# Altium PCB MiniPC.PcbDoc (part 8 of 22)
Units mm, origin at the board's own origin, x right, y up, seen from the top; angles counter-clockwise.
Board outline 175 x 155 mm, 16 copper layers (1_Top, 2_int1_(gnd), 3_int2_(power), 4_int3_(gnd), 5_int4_(sign), 6_int5_(power), 7_int6_(sign), 8_int7_(power), 9_int8_(gnd), 10_int9_(sign), 11_int10_(gnd), 12_int11_(sign), 13_int12_(gnd), 14_int13_(power), 15_int14_(gnd), 16_Bottom), stack 2.008 mm thick; 1046 components, 837 nets, 6010 pads, 3950 vias.
Unrouted connection lines stored in the file: 585.
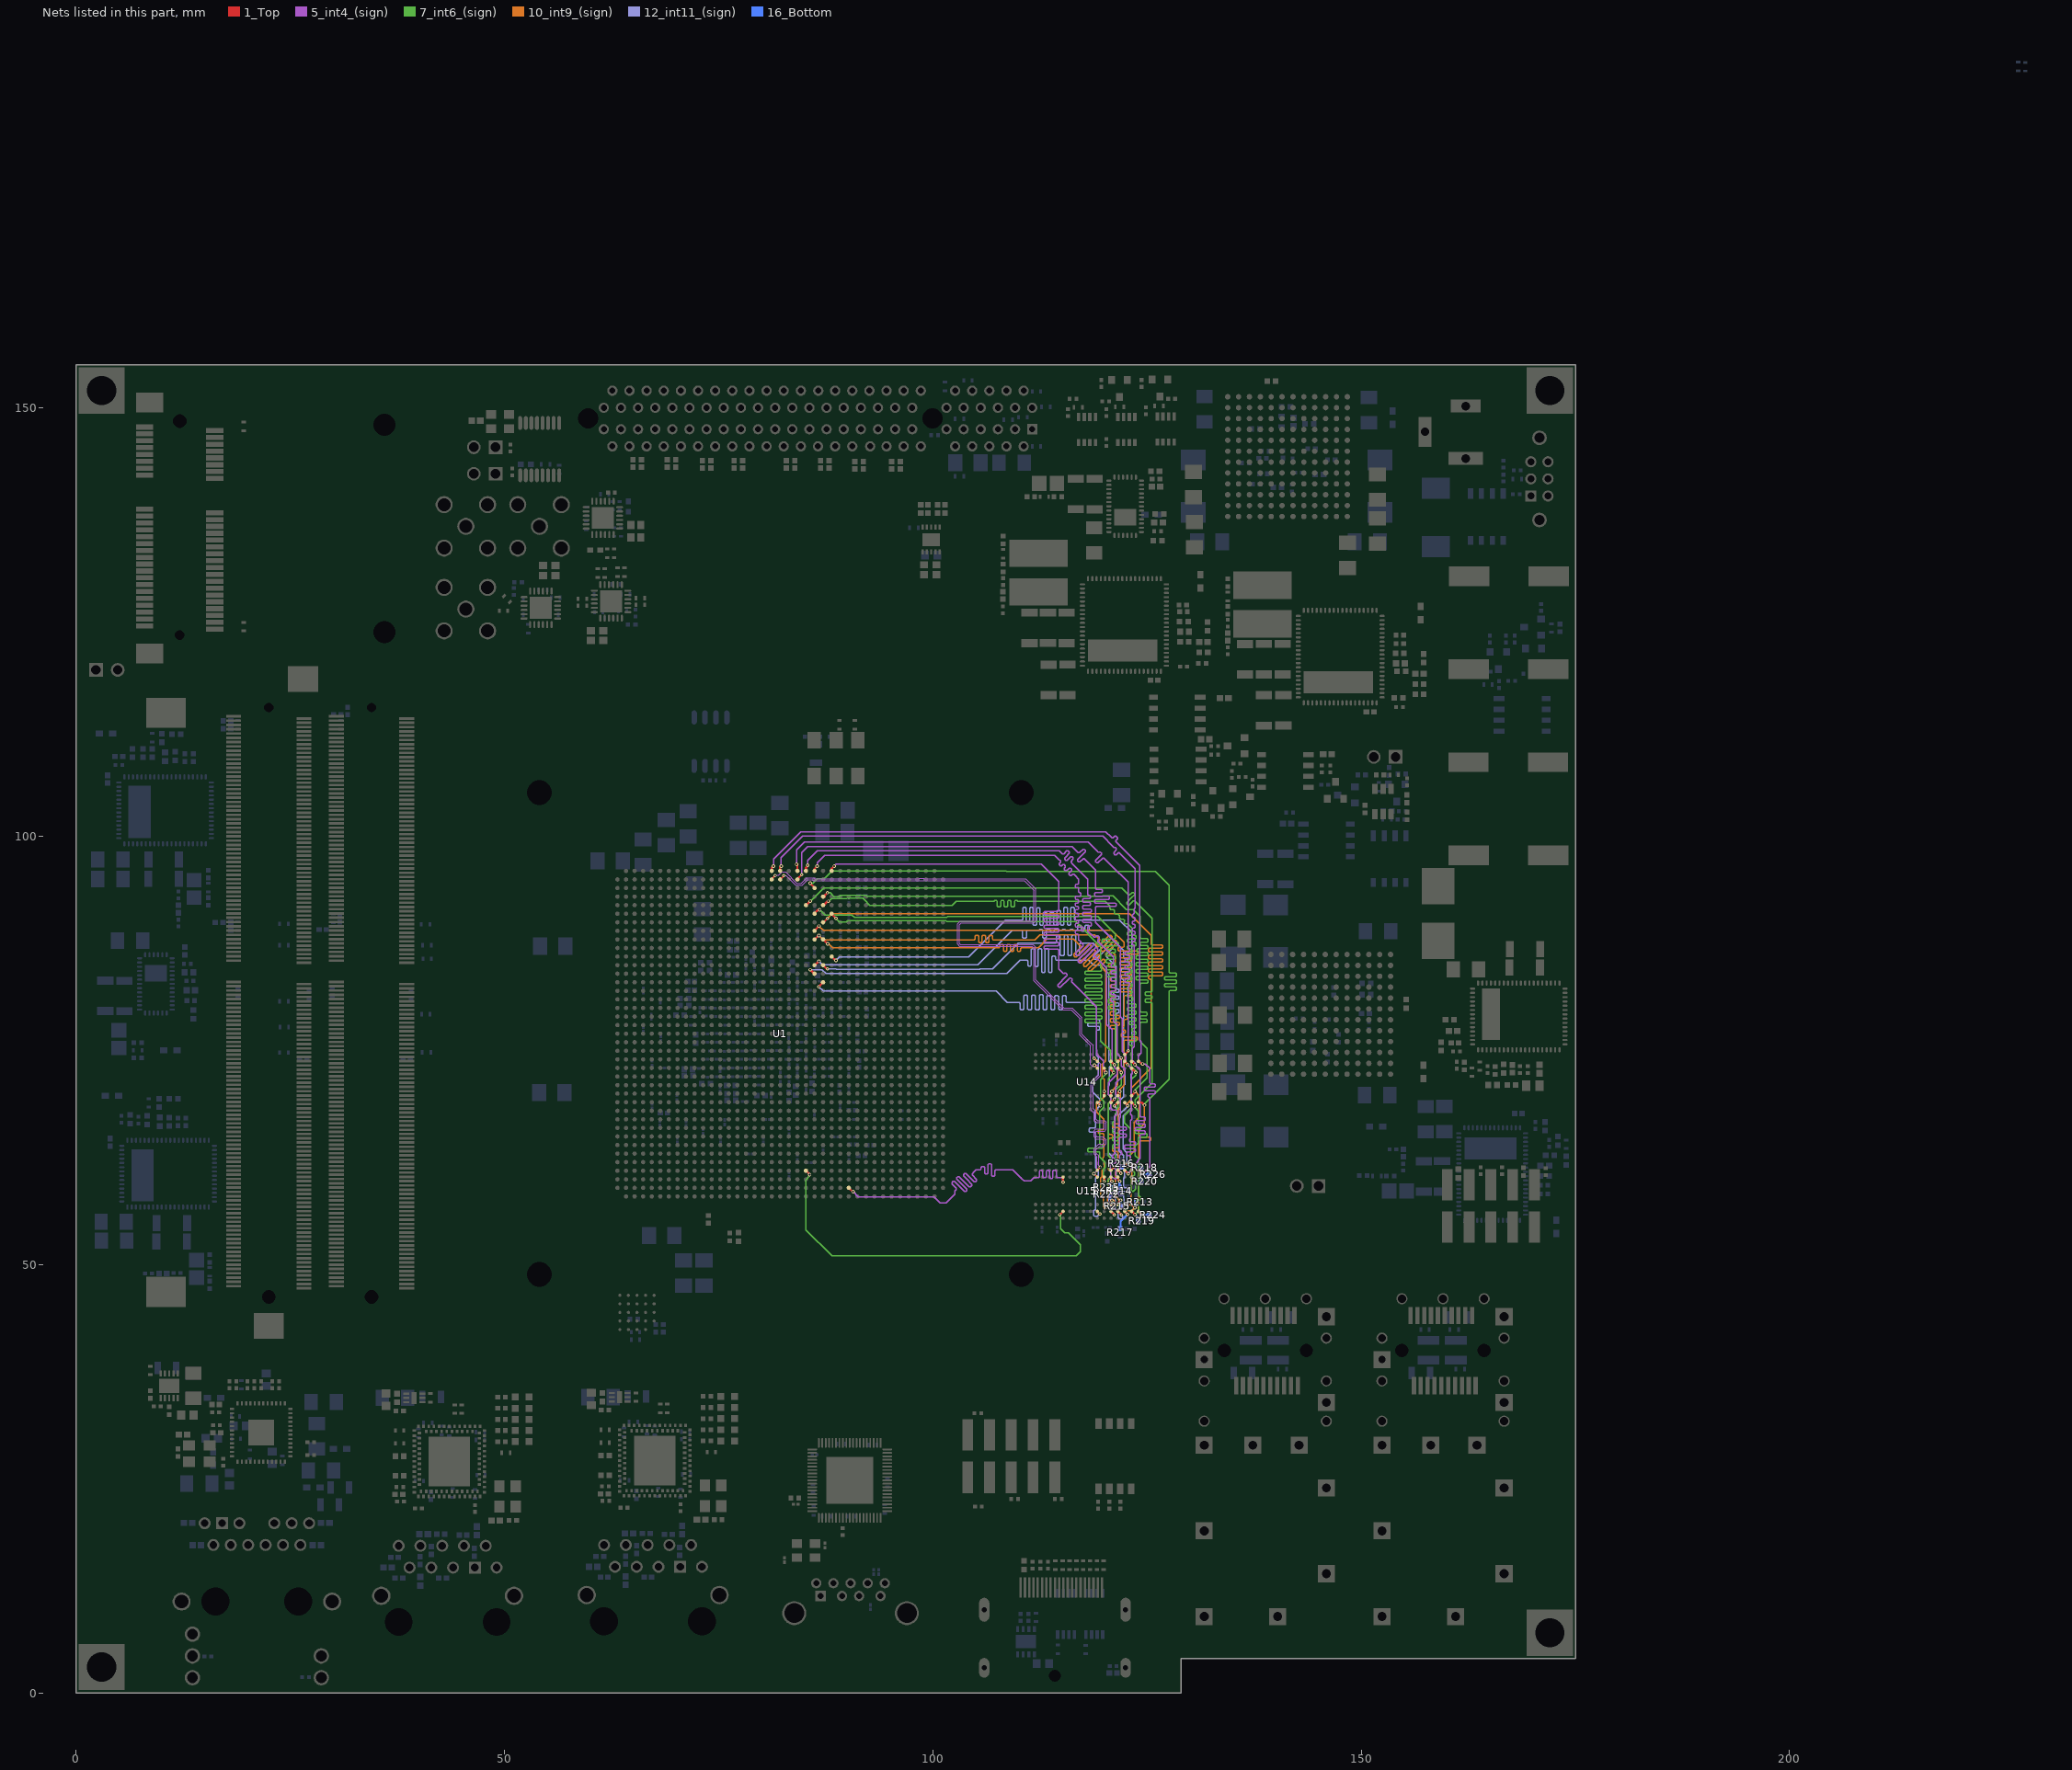
[diagram p22: the nets of this part, all layers, seen from the top]

## Via types
v1: diameter 0.4, hole 0.2, 1_Top to 16_Bottom, tented both sides, 1651 vias
v2: diameter 0.5, hole 0.2, 1_Top to 16_Bottom, tented both sides, 983 vias
v3: diameter 0.7, hole 0.3, 1_Top to 16_Bottom, tented both sides, 915 vias
v4: diameter 0.6, hole 0.2, 1_Top to 16_Bottom, tented both sides, 278 vias
v5: diameter 0.4, hole 0.2, 1_Top to 16_Bottom, 78 vias
v6: diameter 0.4/0/0/0/0/0/0/0/0/0/0/0/0/0/0/0.4 (per signal layer), hole 0.2, 1_Top to 16_Bottom, tented both sides, 18 vias
v7: diameter 0.5, hole 0.254, 1_Top to 16_Bottom, tented both sides, 15 vias
v8: diameter 0.4/0/0/0/0/0/0/0/0/0/0/0.4/0.4/0.4/0.4/0.4 (per signal layer), hole 0.2, 1_Top to 16_Bottom, tented both sides, 10 vias
v9: diameter 0.5, hole 0.2, 1_Top to 16_Bottom, 2 vias

## Nets (pads, with @x,y where several pads share a name; then routed paths per layer and width w, separated by ;. In a path a pad name is that pad's centre, name@x,y a point inside that pad or via, vN(x,y) a via of type N, cw(c..) or ccw(c..) an arc to the next point about the centre after c; other vN are vias at no path point) (continued)
DDR4_A2: R213.2 U1.D25 U14.R3 U15.R3 | length 95.8
  1_Top w0.25: U1.D25@87.194,92.939 87.296,92.837 87.4,92.942 87.4,93.1 v1(87.7,93.4) ; U15.R3@123.2,57 123.2,56.978 123.556,56.622 v1(123.578,56.622) ; U14.R3@123.2,69.7 123.6,70.1 v1(123.6,70.2)
  7_int6_(sign) w0.15: v1(87.7,93.4) 88,93.4 88.45,92.95 89.1,92.95 89.225,93.075 92.225,93.075 92.3,93 119.779,93 119.796,93.018 121.007,93.018 122.604,91.42 123.38,91.42 124.2,90.6 124.2,89.036 124.2,88.836 124.2,88.436 124.2,88.136 124.3,88.036 124.99,88.036 125.09,87.936 125.09,87.736 124.99,87.636 124.3,87.636 124.2,87.536 124.2,87.336 124.3,87.236 124.99,87.236 125.09,87.136 125.09,86.936 124.99,86.836 124.2,86.836 123.948,86.836 123.848,86.736 123.848,86.536 123.948,86.436 124.2,86.436 124.99,86.436 125.09,86.336 125.09,86.136 124.99,86.036 124.2,86.036 123.835,86.036 123.735,85.936 123.735,85.736 123.835,85.636 124.2,85.636 124.99,85.636 125.09,85.536 125.09,85.336 124.99,85.236 124.2,85.236 123.835,85.236 123.735,85.136 123.735,84.936 123.835,84.836 124.2,84.836 124.99,84.836 125.09,84.736 125.09,84.536 124.99,84.436 124.2,84.436 123.835,84.436 123.735,84.336 123.735,84.136 123.835,84.036 124.2,84.036 124.99,84.036 125.09,83.936 125.09,83.736 124.99,83.636 124.2,83.636 123.835,83.636 123.735,83.536 123.735,83.336 123.835,83.236 124.2,83.236 124.99,83.236 125.09,83.136 125.09,82.936 124.99,82.836 124.3,82.836 124.2,82.736 124.2,82.6 124.2,79.65 124.2,79.55 124.3,79.45 124.93,79.45 125.03,79.35 125.03,79.15 124.93,79.05 124.3,79.05 124.2,78.95 124.2,78.75 124.3,78.65 124.93,78.65 125.03,78.55 125.03,78.35 124.93,78.25 124.3,78.25 124.2,78.15 124.2,77.875 124.2,76 125,75.2 125,71.8 123.6,70.4 v1(123.6,70.2)
  10_int9_(sign) w0.15: v1(123.578,56.622) 123.22,56.264 122.915,56.264 122.906,56.273 122.827,56.273 122.7,56.4 122.7,56.7 123.181,57.181 123.181,57.679 123.125,57.735 123.125,59.4 123.125,60.125 123.225,60.225 123.225,60.776 123.164,60.837 123.164,61.615 123.075,61.704 123.075,62.822 123.5,63.247 123.5,66.6 124.1,67.2 124.1,69.7 v1(123.6,70.2)
  16_Bottom w0.25: v1(123.578,56.622) 123.675,56.719 R213.2@123.675,57.3
DDR4_A3: R214.2 U1.F24 U14.N7 U15.N7 | length 89.1
  1_Top w0.25: U1.F24@86.194,90.939 86.194,90.994 86.6,91.4 v1(86.8,91.4) ; U15.N7@121.6,60.2 121.6,59.922 121.8,59.722 v1(121.8,59.7) ; U14.N7@121.6,72.9 122,72.5 v1(122,72.4)
  7_int6_(sign) w0.15: v1(86.8,91.4) 87.425,90.775 90.575,90.775 90.85,90.5 101.625,90.5 101.75,90.625 119.275,90.625 121.3,88.6 121.3,88.4 121.3,88.1 121.2,88 119.821,88 119.721,87.9 119.721,87.7 119.821,87.6 121.3,87.6 121.59,87.6 121.69,87.5 121.69,87.3 121.59,87.2 121.3,87.2 120.21,87.2 120.11,87.1 120.11,86.9 120.21,86.8 121.2,86.8 121.3,86.7 121.3,86.5 121.2,86.4 120.316,86.4 120.216,86.3 120.216,86.1 120.316,86 121.2,86 121.3,85.9 121.3,85.7 121.2,85.6 120.316,85.6 120.216,85.5 120.216,85.3 120.316,85.2 121.2,85.2 121.3,85.1 121.3,84.9 121.2,84.8 120.316,84.8 120.216,84.7 120.216,84.5 120.316,84.4 121.2,84.4 121.3,84.3 121.3,84.1 121.2,84 120.316,84 120.216,83.9 120.216,83.7 120.316,83.6 121.2,83.6 121.3,83.5 121.3,83.2 121.3,83 121.3,82.35 121.3,82.15 121.3,81.85 121.2,81.75 120.748,81.75 120.648,81.65 120.648,81.45 120.748,81.35 121.2,81.35 121.3,81.25 121.3,81.05 121.2,80.95 120.604,80.95 120.504,80.85 120.504,80.65 120.604,80.55 121.2,80.55 121.3,80.45 121.3,80.25 121.2,80.15 120.604,80.15 120.504,80.05 120.504,79.85 120.604,79.75 121.2,79.75 121.3,79.65 121.3,79.2 121.3,73.801 121.625,73.476 121.625,72.9 122,72.525 v1(122,72.4) 122,71 121.375,70.376 121.375,69.825 121.625,69.575 121.625,68.676 121.625,68.324 121.4,68.099 121.4,67.449 121.3,67.349 121.3,67.124 121.3,66.786 121.188,66.674 121.097,66.674 120.985,66.561 120.985,66.336 121.097,66.224 121.188,66.224 121.3,66.111 121.3,65.886 121.188,65.774 121.097,65.774 120.985,65.661 120.985,65.436 121.097,65.324 121.3,65.324 121.653,65.324 121.765,65.211 121.765,64.986 121.653,64.874 121.3,64.874 121.097,64.874 120.985,64.761 120.985,64.536 121.097,64.424 121.3,64.424 121.597,64.424 121.709,64.311 121.709,64.086 121.597,63.974 121.3,63.974 121.097,63.974 120.985,63.861 120.985,63.636 121.097,63.524 121.188,63.524 121.3,63.411 121.3,63.4 121.3,62.4 121.6,62.1 121.6,61.079 121.425,60.904 121.425,60.175 121.8,59.8 v1(121.8,59.7)
  16_Bottom w0.25: R214.2@121.8,59.025 v1@121.8,59.7
DDR4_A4: R215.2 U1.H24 U14.N3 U15.N3 | length 95.6
  1_Top w0.25: U1.H24@86.194,88.939 86.194,88.994 v1(86.7,89.5) ; U15.N3@121.6,57 121.6,57.2 121.903,57.503 v1(121.906,57.503) ; U14.N3@121.6,69.7 121.6,70 v1(121.8,70.2)
  10_int9_(sign) w0.15: v1(86.7,89.5) 87.21,88.99 103.036,88.99 103.05,89.004 120.896,89.004 122.3,87.6 122.3,87.4 122.3,87.1 122.2,87 121.714,87 121.614,86.9 121.614,86.7 121.714,86.6 122.3,86.6 123.899,86.6 123.999,86.5 123.999,86.3 123.899,86.2 122.3,86.2 121.991,86.2 121.891,86.1 121.891,85.9 121.991,85.8 122.3,85.8 123.069,85.8 123.169,85.7 123.169,85.5 123.069,85.4 122.3,85.4 121.991,85.4 121.891,85.3 121.891,85.1 121.991,85 122.3,85 123.069,85 123.169,84.9 123.169,84.7 123.069,84.6 122.3,84.6 121.991,84.6 121.891,84.5 121.891,84.3 121.991,84.2 122.3,84.2 123.069,84.2 123.169,84.1 123.169,83.9 123.069,83.8 122.3,83.8 121.991,83.8 121.891,83.7 121.891,83.5 121.991,83.4 122.3,83.4 123.069,83.4 123.169,83.3 123.169,83.1 123.069,83 122.3,83 121.991,83 121.891,82.9 121.891,82.7 121.991,82.6 122.3,82.6 123.069,82.6 123.169,82.5 123.169,82.3 123.069,82.2 122.3,82.2 121.991,82.2 121.891,82.1 121.891,81.9 121.991,81.8 122.3,81.8 123.069,81.8 123.169,81.7 123.169,81.5 123.069,81.4 122.4,81.4 122.3,81.3 122.3,81.1 122.3,79.175 122.3,79.075 122.4,78.975 122.588,78.975 122.688,78.875 122.688,78.675 122.588,78.575 122.4,78.575 122.3,78.475 122.3,78.175 122.3,77.798 122.277,77.775 122.177,77.675 122.177,77.475 122.277,77.375 122.3,77.375 122.378,77.375 122.478,77.275 122.478,77.075 122.378,76.975 122.3,76.975 122.118,76.975 122.018,76.875 122.018,76.675 122.118,76.575 122.3,76.575 123.772,76.575 123.872,76.475 123.872,76.275 123.772,76.175 122.4,76.175 122.3,76.075 122.3,75.35 122.3,74.701 122.425,74.576 122.425,73.924 122.3,73.799 122.3,72.701 122.425,72.576 122.425,72.224 122.3,72.099 122.3,70.938 122.285,70.923 122.285,70.885 121.85,70.45 121.85,70.25 v1(121.8,70.2) 121.9,70.1 121.9,68.4 121.6,68.1 121.6,67 121.6,66.881 121.681,66.8 121.781,66.7 121.781,66.5 121.681,66.4 121.6,66.4 121.085,66.4 120.985,66.3 120.985,66.1 121.085,66 121.6,66 121.676,66 121.776,65.9 121.776,65.7 121.676,65.6 121.6,65.524 121.6,65.3 121.6,64.3 121.6,64.128 121.653,64.075 121.765,63.963 121.765,63.738 121.653,63.625 121.6,63.625 121.097,63.625 120.985,63.513 120.985,63.288 121.097,63.175 121.488,63.175 121.6,63.063 121.6,63 121.6,61.079 121.325,60.804 121.325,59.776 121.325,57.975 121.8,57.5 121.803,57.503 v1(121.906,57.503)
  16_Bottom w0.25: v1(121.906,57.503) 121.925,57.484 R215.2@121.925,56.8
DDR4_A5: R216.2 U1.B22 U14.P8 U15.P8 | length 95.2
  1_Top w0.25: U1.B22@84.194,94.939 84.194,94.994 v1(84.7,95.5) ; U15.P8@122.4,61 v1(122.8,60.6) ; U14.P8@122.4,73.7 122.75,73.35 v1(122.75,73.328)
  5_int4_(sign) w0.15: v1(84.7,95.5) 84.7,98.1 85.39,98.79 116.235,98.79 116.9,98.125 116.971,98.054 117.112,98.054 117.518,98.46 117.66,98.46 117.801,98.319 117.801,98.178 117.324,97.701 116.885,97.261 116.885,97.12 117.026,96.978 117.168,96.978 117.577,97.388 117.637,97.388 119,96.025 119,94 119,93.9 119.1,93.8 119.716,93.8 119.816,93.7 119.816,93.5 119.716,93.4 119,93.4 118.9,93.3 118.9,93.1 119,93 120.516,93 120.616,92.9 120.616,92.7 120.516,92.6 119,92.6 118.9,92.5 118.9,92.3 119,92.2 121.316,92.2 121.416,92.1 121.416,91.9 121.316,91.8 119.1,91.8 119,91.7 119,91.3 119,89.9 121.9,87 121.9,78.9 122.1,78.7 122.1,74.9 122.275,74.725 122.525,74.475 122.525,73.553 v1(122.75,73.328) 123.275,72.803 123.275,72.296 123.175,72.196 123.175,67.976 123.075,67.876 123.075,67.524 123.225,67.374 123.225,66.924 123.075,66.774 123.075,65.7 123.075,64.733 123.062,64.72 123.075,64.72 122.975,64.62 122.975,64.42 123.075,64.32 123.547,64.32 123.647,64.22 123.647,64.02 123.547,63.92 123.075,63.92 122.46,63.92 122.36,63.82 122.36,63.62 122.46,63.52 123.075,63.52 123.547,63.52 123.647,63.42 123.647,63.22 123.547,63.12 123.075,63.12 122.728,63.12 122.628,63.02 122.628,62.82 122.728,62.72 122.975,62.72 123.075,62.62 123.075,62.52 123.075,62.024 123.175,61.924 123.175,60.975 v1(122.8,60.6)
  16_Bottom w0.25: R216.2@122,61.375 122.025,61.375 v1(122.8,60.6)
DDR4_A6: R217.2 U1.G25 U14.P2 U15.P2 | length 94.4
  1_Top w0.25: U1.G25@87.194,89.939 87.239,89.939 v1(87.7,90.4) ; U15.P2@122.4,56.2 122.739,55.861 122.73,55.852 v1(122.73,55.848) ; U14.P2@122.4,68.9 122.772,68.528 v1(122.75,68.528)
  10_int9_(sign) w0.15: v1(87.7,90.4) 88.258,90.958 122.942,90.958 125.5,88.4 125.5,87.5 125.5,87.4 125.6,87.3 126.702,87.3 126.802,87.2 126.802,87 126.702,86.9 125.5,86.9 125.278,86.9 125.178,86.8 125.178,86.6 125.278,86.5 125.5,86.5 126.702,86.5 126.802,86.4 126.802,86.2 126.702,86.1 125.5,86.1 125.278,86.1 125.178,86 125.178,85.8 125.278,85.7 125.5,85.7 126.702,85.7 126.802,85.6 126.802,85.4 126.702,85.3 125.5,85.3 125.278,85.3 125.178,85.2 125.178,85 125.278,84.9 125.5,84.9 126.702,84.9 126.802,84.8 126.802,84.6 126.702,84.5 125.5,84.5 125.278,84.5 125.178,84.4 125.178,84.2 125.278,84.1 125.5,84.1 126.702,84.1 126.802,84 126.802,83.8 126.702,83.7 125.5,83.7 125.278,83.7 125.178,83.6 125.178,83.4 125.278,83.3 125.4,83.3 125.5,83.2 125.5,81.125 125.5,72.95 123.17,70.62 123.17,69.291 123.12,69.241 123.12,69.215 122.755,68.85 122.755,68.533 v1(122.75,68.528)
  12_int11_(sign) w0.15: v1(122.73,55.848) 122.247,56.331 122.247,57.243 122.331,57.327 122.331,57.679 122.247,57.763 122.247,57.9 122.247,57.963 122.135,58.075 121.807,58.075 121.695,58.188 121.695,58.413 121.807,58.525 122.247,58.525 122.693,58.525 122.805,58.638 122.805,58.863 122.693,58.975 122.36,58.975 122.247,59.088 122.247,59.2 122.247,60.048 122.364,60.165 122.364,60.815 122.275,60.904 122.275,62.722 122,62.997 122.003,63 121.68,63.323 121.68,67.206 121.695,67.221 121.695,67.409 122.75,68.464 v1(122.75,68.528)
  16_Bottom w0.25: R217.2@121.87,54.175 121.925,54.23 121.925,55.025 122.73,55.83 v1(122.73,55.848)
DDR4_A7: R218.2 U1.A20 U14.R8 U15.R8 | length 90.6
  1_Top w0.25: U1.A20@82.194,95.939 82.194,96.394 v1(82.3,96.5) ; U15.R8@123.2,61 v1(123.6,61.4) ; U14.R8@123.2,73.7 v1(123.6,73.3)
  5_int4_(sign) w0.15: v1(82.3,96.5) 82.3,97.5 84.79,99.99 119.835,99.99 121,98.825 121.135,98.69 121.148,98.69 121.289,98.69 121.43,98.548 121.43,98.407 121.424,98.401 121.116,98.093 121.116,97.951 121.258,97.81 121.399,97.81 121.677,98.088 121.737,98.088 123.615,96.21 123.615,91.625 123.49,91.5 123.49,91.3 123.49,90.98 123.41,90.9 123.31,90.8 123.31,90.6 123.41,90.5 123.49,90.5 123.515,90.5 123.615,90.4 123.615,90.2 123.515,90.1 123.49,90.1 123.41,90.1 123.31,90 123.31,89.8 123.41,89.7 123.49,89.7 123.515,89.7 123.615,89.6 123.615,89.4 123.515,89.3 123.49,89.3 123.41,89.3 123.31,89.2 123.31,89 123.41,88.9 123.49,88.9 123.515,88.9 123.615,88.8 123.615,88.6 123.515,88.5 123.49,88.5 123.41,88.5 123.31,88.4 123.31,88.2 123.41,88.1 123.49,88.1 123.515,88.1 123.615,88 123.615,87.8 123.515,87.7 123.49,87.7 123.41,87.7 123.31,87.6 123.31,87.4 123.41,87.3 123.49,87.3 123.49,75.425 123.275,75.21 123.275,73.804 v1@123.639,73.439 ; v1(123.6,61.4) 123.6,61.699 123.925,62.024 123.925,62.125 124.2,62.4 124.2,65.1 124.3,65.2 124.68,65.2 124.78,65.3 124.78,65.5 124.68,65.6 124.2,65.6 123.695,65.6 123.595,65.7 123.595,65.9 123.695,66 124.2,66 124.68,66 124.78,66.1 124.78,66.3 124.68,66.4 124.2,66.4 123.793,66.4 123.693,66.5 123.693,66.7 123.793,66.8 124.2,66.8 124.68,66.8 124.78,66.9 124.78,67.1 124.68,67.2 124.3,67.2 124.2,67.3 124.2,67.4 124.2,69.203 124.179,69.224 124.179,72.292 124.175,72.296 124.175,72.725 v1(123.6,73.3)
  16_Bottom w0.25: v1(123.6,61.4) 123.7,61.3 R218.2@124.325,61.3
DDR4_A8: R219.2 U1.E23 U14.R2 U15.R2 | length 89.8
  1_Top w0.25: U1.E23@85.194,91.939 85.239,91.939 v1(85.7,92.4) ; U15.R2@123.2,56.2 123.222,56.2 v1(123.6,55.822) ; U14.R2@123.2,68.9 123.6,68.5 v1(123.6,68.478)
  7_int6_(sign) w0.15: v1(85.7,92.4) 87.25,93.95 122.05,93.95 122.775,93.225 122.846,93.154 122.987,93.154 123.266,93.433 123.407,93.433 123.549,93.292 123.549,93.15 123.199,92.801 122.643,92.244 122.643,92.103 122.784,91.961 122.926,91.961 123.411,92.447 123.553,92.447 123.612,92.388 125.6,90.4 125.6,82.4 125.6,82.2 125.6,81.9 125.5,81.8 124.873,81.8 124.773,81.7 124.773,81.5 124.873,81.4 125.5,81.4 125.6,81.3 125.6,81.1 125.5,81 124.873,81 124.773,80.9 124.773,80.7 124.873,80.6 125.5,80.6 125.6,80.5 125.6,80.2 125.6,80.1 125.6,71.201 123.6,69.201 v1(123.6,68.478) 123.6,68.276 123.98,67.896 123.98,66.4 123.98,66.317 124.093,66.205 124.22,66.205 124.332,66.092 124.332,65.867 124.22,65.755 123.98,65.755 123.697,65.755 123.585,65.642 123.585,65.417 123.697,65.305 123.98,65.305 124.878,65.305 124.99,65.192 124.99,64.967 124.878,64.855 124.093,64.855 123.98,64.742 123.98,64.405 123.98,64.18 123.635,63.835 123.635,62.725 124.025,62.335 124.025,58.17 124.025,58.058 124.137,57.945 124.25,57.833 124.25,57.608 124.137,57.495 124.025,57.495 123.868,57.495 123.755,57.383 123.755,57.158 123.868,57.045 123.95,57.045 124.025,56.97 124.025,56.225 123.622,55.822 v1(123.6,55.822)
  16_Bottom w0.25: v1(123.6,55.822) 123.975,55.447 R219.2@123.975,55.1
DDR4_A9: R220.2 U1.E25 U14.R7 U15.R7 | length 97.4
  1_Top w0.25: U1.E25@87.194,91.939 87.261,91.939 87.721,92.4 v1(87.8,92.4) ; U15.R7@123.2,60.2 123.6,59.8 v1(123.6,59.75) ; v1(123.7,72.422) 123.392,72.73 ; 123.392,72.73 123.37,72.73 U14.R7@123.2,72.9 123.222,72.9 123.392,72.73
  7_int6_(sign) w0.15: v1(87.8,92.4) 87.8,92.3 88.2,92.7 89.984,92.7 90.065,92.781 91.82,92.781 92.3,92.301 92.3,92.245 92.645,91.9 102.25,91.9 102.75,92.4 106.925,92.4 107.125,92.4 107.215,92.49 107.435,92.49 107.525,92.4 107.525,91.869 107.625,91.769 107.825,91.769 107.925,91.869 107.925,92.4 108.015,92.49 108.235,92.49 108.325,92.4 108.325,91.869 108.425,91.769 108.625,91.769 108.725,91.869 108.725,92.4 108.815,92.49 109.035,92.49 109.125,92.4 109.125,91.869 109.225,91.769 109.425,91.769 109.525,91.869 109.525,92.4 109.615,92.49 109.835,92.49 109.925,92.4 111.7,92.4 120.115,92.4 120.3,92.215 120.441,92.074 120.654,91.861 120.654,91.72 120.648,91.715 120.648,91.573 120.789,91.432 120.931,91.432 120.936,91.437 121.078,91.437 121.219,91.296 121.219,91.154 121.214,91.149 121.214,91.007 121.355,90.866 121.497,90.866 121.502,90.872 121.644,90.872 121.785,90.73 121.785,90.589 121.779,90.583 121.779,90.442 121.921,90.3 122.062,90.3 122.068,90.306 122.209,90.306 122.351,90.164 122.351,90.023 122.345,90.018 122.345,89.876 122.487,89.735 122.628,89.735 122.633,89.74 122.775,89.74 122.987,89.528 123.225,89.29 123.225,89.2 123.225,88.9 123.125,88.8 122.8,88.8 122.7,88.7 122.7,88.5 122.8,88.4 123.225,88.4 123.59,88.4 123.69,88.3 123.69,88.1 123.59,88 123.225,88 122.81,88 122.71,87.9 122.71,87.7 122.81,87.6 123.225,87.6 123.59,87.6 123.69,87.5 123.69,87.3 123.59,87.2 123.225,87.2 122.81,87.2 122.71,87.1 122.71,86.9 122.81,86.8 123.125,86.8 123.225,86.7 123.225,86.5 123.125,86.4 122.81,86.4 122.71,86.3 122.71,86.1 122.81,86 123.125,86 123.225,85.9 123.225,85.7 123.125,85.6 122.81,85.6 122.71,85.5 122.71,85.3 122.81,85.2 123.125,85.2 123.225,85.1 123.225,84.9 123.125,84.8 122.81,84.8 122.71,84.7 122.71,84.5 122.81,84.4 123.125,84.4 123.225,84.3 123.225,84.1 123.125,84 122.81,84 122.71,83.9 122.71,83.7 122.81,83.6 123.125,83.6 123.225,83.5 123.225,83.3 123.125,83.2 122.81,83.2 122.71,83.1 122.71,82.9 122.81,82.8 123.125,82.8 123.225,82.7 123.225,82.5 123.125,82.4 122.81,82.4 122.71,82.3 122.71,82.1 122.81,82 123.125,82 123.225,81.9 123.225,81.7 123.125,81.6 122.81,81.6 122.71,81.5 122.71,81.3 122.81,81.2 123.225,81.2 123.232,81.2 123.332,81.1 123.332,80.9 123.232,80.8 123.225,80.8 122.81,80.8 122.71,80.7 122.71,80.5 122.81,80.4 123.225,80.4 123.59,80.4 123.69,80.3 123.69,80.1 123.59,80 123.225,80 122.81,80 122.71,79.9 122.71,79.7 122.81,79.6 123.225,79.6 123.59,79.6 123.69,79.5 123.69,79.3 123.59,79.2 123.225,79.2 122.81,79.2 122.71,79.1 122.71,78.9 122.81,78.8 123.225,78.8 123.59,78.8 123.69,78.7 123.69,78.5 123.59,78.4 123.225,78.4 122.999,78.4 122.899,78.3 122.899,78.1 122.999,78 123.225,78 123.59,78 123.69,77.9 123.69,77.7 123.59,77.6 123.325,77.6 123.225,77.5 123.225,77.3 123.325,77.2 123.59,77.2 123.69,77.1 123.69,76.9 123.59,76.8 123.325,76.8 123.225,76.7 123.225,76.5 123.325,76.4 123.59,76.4 123.69,76.3 123.69,76.1 123.59,76 123.225,76 123.036,76 122.936,75.9 122.936,75.7 123.036,75.6 123.125,75.6 123.225,75.5 123.225,75.4 123.225,74.774 123.175,74.724 123.175,73.124 123.7,72.599 v1(123.7,72.422) 123.7,72.125 123.175,71.6 123.175,70.024 ; 123.175,70.024 123.175,68.175 122.375,67.375 122.375,66.5 123.075,65.8 123.075,61.704 123.164,61.615 123.164,61.116 123.57,60.71 123.57,60.47 123.125,60.025 123.125,58.696 123.281,58.54 123.41,58.54 123.655,58.785 123.655,59.695 v1(123.6,59.75)
  16_Bottom w0.25: v1(123.6,59.75) 123.65,59.7 R220.2@124.325,59.7 R220.2@124.475,59.7
DDR4_A10: R222.2 U1.J24 U14.M3 U15.M3 | length 95.8
  1_Top w0.25: U1.J24@86.194,87.939 86.7,88.445 v1(86.7,88.4) ; U15.M3@120.8,57 120.8,57.4 v1(120.9,57.5) ; U14.M3@120.811,69.689 U14.M3@120.8,69.7 120.8,70.1 v1(120.9,70.2)
  10_int9_(sign) w0.15: v1(86.7,88.4) 87.2,87.9 104.75,87.9 104.85,87.9 104.95,88 104.95,88.333 105.05,88.433 105.25,88.433 105.35,88.333 105.35,87.9 105.35,87.646 105.45,87.546 105.65,87.546 105.75,87.646 105.75,87.9 105.75,88.333 105.85,88.433 106.05,88.433 106.15,88.333 106.15,87.9 106.15,87.646 106.25,87.546 106.45,87.546 106.55,87.646 106.55,87.9 106.55,88.333 106.65,88.433 106.85,88.433 106.95,88.333 106.95,88 107.05,87.9 108.125,87.9 111.9,87.9 112.49,88.49 118.91,88.49 119.1,88.3 119.241,88.159 119.454,87.946 119.454,87.805 119.055,87.406 119.055,87.265 119.196,87.123 119.337,87.123 119.807,87.593 120.621,88.407 120.763,88.407 120.904,88.266 120.904,88.124 120.09,87.31 119.62,86.84 119.62,86.699 119.762,86.557 119.903,86.557 120.373,87.027 121.187,87.841 121.328,87.841 121.47,87.7 121.47,87.559 120.656,86.744 120.186,86.275 120.186,86.133 120.327,85.992 120.469,85.992 120.868,86.391 121.009,86.391 121.221,86.179 121.3,86.1 121.3,85.9 121.3,85.5 121.3,85.2 121.2,85.1 120.6,85.1 120.5,85 120.5,84.8 120.6,84.7 121.2,84.7 121.3,84.6 121.3,84.4 121.2,84.3 120.816,84.3 120.716,84.2 120.716,84 120.816,83.9 121.2,83.9 121.3,83.8 121.3,83.6 121.2,83.5 120.816,83.5 120.716,83.4 120.716,83.2 120.816,83.1 121.2,83.1 121.3,83 121.3,82.8 121.2,82.7 120.816,82.7 120.716,82.6 120.716,82.4 120.816,82.3 121.2,82.3 121.3,82.2 121.3,82 121.2,81.9 120.816,81.9 120.716,81.8 120.716,81.6 120.816,81.5 121.2,81.5 121.3,81.4 121.3,81.2 121.2,81.1 120.816,81.1 120.716,81 120.716,80.8 120.816,80.7 121.2,80.7 121.3,80.6 121.3,80.4 121.2,80.3 120.816,80.3 120.716,80.2 120.716,80 120.816,79.9 121.2,79.9 121.3,79.8 121.3,79.6 121.2,79.5 120.816,79.5 120.716,79.4 120.716,79.2 120.816,79.1 121.3,79.1 121.684,79.1 121.784,79 121.784,78.8 121.684,78.7 121.3,78.7 120.816,78.7 120.716,78.6 120.716,78.4 120.816,78.3 121.3,78.3 121.684,78.3 121.784,78.2 121.784,78 121.684,77.9 121.3,77.9 120.816,77.9 120.716,77.8 120.716,77.6 120.816,77.5 121.2,77.5 121.3,77.4 121.3,77.3 121.3,74 121.699,73.601 121.699,72.701 121.575,72.576 121.575,70.975 120.9,70.3 121,70.2 v1(120.9,70.2) 120.775,70.075 120.775,69.448 120.775,69.096 120.475,68.796 120.475,65.4 120.475,65.287 120.587,65.175 120.865,65.175 120.977,65.063 120.977,64.838 120.865,64.725 120.587,64.725 120.475,64.613 120.475,64.275 120.475,64.2 120.475,62.726 120.725,62.476 120.725,62.124 120.5,61.899 120.5,61.101 120.825,60.776 120.825,60.326 120.475,59.976 120.475,58.003 120.37,57.898 120.37,57.23 120.475,57.125 ; 120.476,57.125 120.601,57 121.14,57 121.21,57.07 121.21,57.38 121.09,57.5 v1(120.9,57.5) 120.932,57.532 v1@120.932,57.546